# Altium PCB 1.4.0_Power_board_flight_computer.PcbDoc (continued)
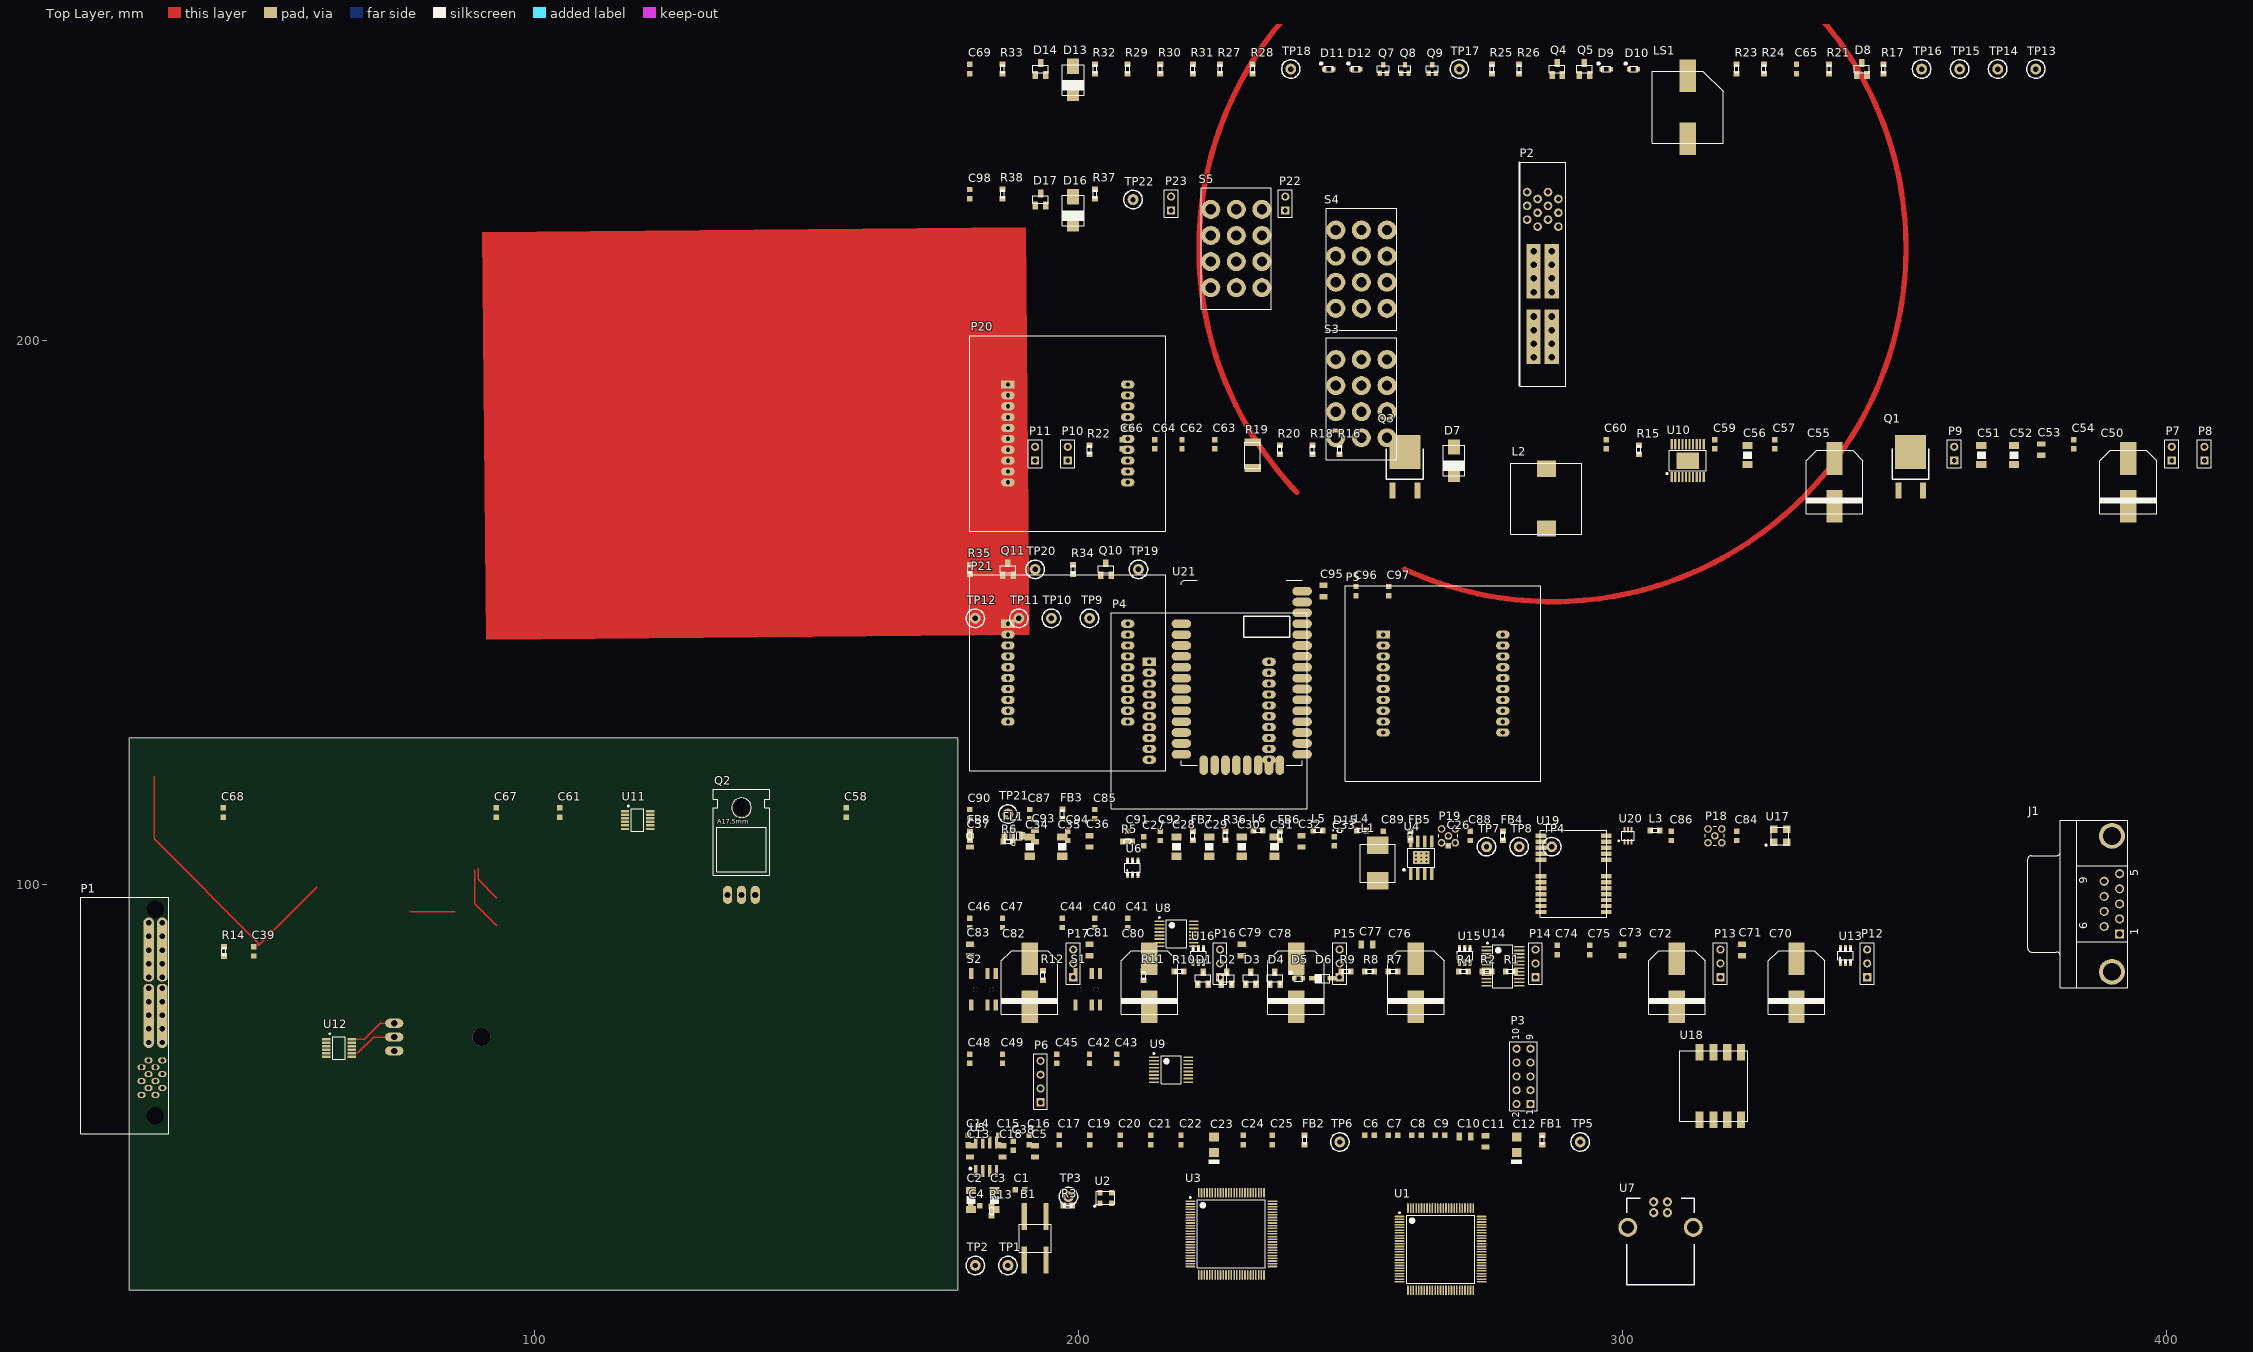
[diagram p0: Top Layer view]
## Components (designator, comment, footprint, x,y, rotation, side; value= is the part's Value field where it differs from the comment) (continued)
U17 "Abs. pres. sensor" SMD_3.0X3.0MM_4P 329,109 r0 top
U18 "Dif. pres. sensor" HSCMRRN060PDSA3 318,63 r0 top
U19 "NEO_M8" NEO-8 291,102 r0 top
U20 "PE4259" SC-70 301,109 r0 top
U21 "XBee 868LP RF Module" "XBEE 868LP RF MODULE" 230,139 r0 top

## Footprints (in the part's own frame and the unit in brackets; to place one, negate y for a bottom-side part, rotate by r counter-clockwise, add the part's x,y. Pads: shape width x height; smd on the part's side, far side on the other; paste and mask are expansions set on the pad)
0603 [mil]
  rect 40x44 smd: 1(-33.46,0) 2(34,0)
  silkscreen extent -33,-17 33,17, body extent -33,-16 33,16, height 22
2010 [mil]
  rect 56x121 smd: 1(-92.52,0) 2(93,0)
  silkscreen extent -94,-56 94,56, body extent -98,-49 98,49, height 24
"45985-4413 PCB Receptacles" [mm] "EXTreme LPH Power™ Header, Right Angle, 4 Power Contacts, 12 Signal Contacts, Select Gold (Au) Plating, for 1.57mm Thick PC Board, with Guide Pockets, with Press-fit Plastic Pegs"
  oval 1.1x1.5 hole 0.75: 1(31.63,-3.81) 2(30.36,-2.54) 3(29.09,-3.81) 4(27.82,-2.54) 5(26.55,-3.81) 6(25.28,-2.54) 7(31.63,-1.27) 8(30.36,0) 9(29.09,-1.27) 10(27.82,0) 11(26.55,-1.27) 12(25.28,0)
  round 2 hole 3.2 unplated: H(-2.5,-1.27) H(35.5,-1.27)
  oval 1.5x2 hole 1: P1A(12,-2.5) P2A(10,-2.5) P2A(10,-2.5) P2A(12,0) P2B(10,0) P2B(10,0)
  round 2 hole 1: P1A(14.5,-2.5) P1A(17,-2.5) P1A(19.5,-2.5) P1A(22,-2.5) P2A(0,-2.5) P2A(0,-2.5) P2A(2.5,-2.5) P2A(2.5,-2.5) P2A(5,-2.5) P2A(5,-2.5) P2A(7.5,-2.5) P2A(7.5,-2.5) P2A(14.5,0) P2A(17,0) P2A(19.5,0) P2A(22,0) P2B(0,0) P2B(0,0) P2B(2.5,0) P2B(2.5,0) P2B(5,0) P2B(5,0) P2B(7.5,0) P2B(7.5,0)
  rect 10x2 smd: P1A(17,-2.5) P2A(5,-2.5) P2A(5,-2.5) P2A(17,0) P2B(5,0) P2B(5,0)
  rect 10x2 smd far side: P1A(17,-2.5) P2A(5,-2.5) P2A(5,-2.5) P2A(17,0) P2B(5,0) P2B(5,0)
  silkscreen extent -4.7,-15 38.8,1.2, body extent -4.8,-15.21 38.86,1.07, height 9.19
"46114-4120 PCB Receptacles" [mm] "1.27mm, 12.00mm Pitch, EXTreme LPHPower™ Receptacle Header, Vertical, 4 Power Contacts, 12 Signal Contacts, Select Gold (Au) Plating, with BMI Guides"
  round 1.6 hole 0.9: 1(30.38,1.19) 2(29.11,-0.72) 3(27.84,1.19) 4(26.57,-0.72) 5(25.3,1.19) 6(24.03,-0.72) 7(30.38,-2.63) 8(29.11,-4.54) 9(27.84,-2.63) 10(26.57,-4.54) 11(25.3,-2.63) 12(24.03,-4.54)
  round 2.184 hole 1.2: P1A(12,0) P1A(14.5,0) P1A(17,0) P1A(19.5,0) P1B(12,-3.33) P1B(14.5,-3.33) P1B(17,-3.33) P1B(19.5,-3.33) P2A(0,0) P2A(2.5,0) P2A(5,0) P2A(7.5,0) P2B(0,-3.33) P2B(2.5,-3.33) P2B(5,-3.33) P2B(7.5,-3.33)
  rect 10x2.6 smd: P1A(15.8,0) P1B(15.8,-3.33) P2A(3.8,0) P2B(3.8,-3.33)
  rect 10x2.6 smd far side: P1A(15.8,0) P1B(15.8,-3.33) P2A(3.8,0) P2B(3.8,-3.33)
  silkscreen extent -5.3,-5.9 35.9,2.6, body extent -5.2,-5.8 35.8,2.53, height 18.02
CAP0603R [mm] "capacitor 0603 reflow soldering"
  rect 1x1 smd: 1(-0.85,0) 2(0.85,0)
  body extent -0.8,-0.4 0.8,0.4, height 0.3
CAP0805W [mm] "capacitor 0805 wave soldering"
  rect 1x1.5 smd: 1(-1.05,0) 2(1.05,0)
  body extent -1,-0.63 1,0.63, height 0.78
CAP1206-CASE_A [mil]
  rect 63x71 smd: 1(-55.98,0) 2(56,0)
  silkscreen extent -138,-39 -106,39, body extent -67,-33 67,33, height 67
CAP1206W [mm] "capacitor 1206 wave soldering"
  rect 1.3x1.9 smd: 1(-1.75,0) 2(1.75,0)
  silkscreen extent -0.7,-0.8 0.7,0.8, body extent -1.6,-0.8 1.6,0.8, height 1
CT-1205C-SMT [mm]
  rect 3x6 smd: 1(0,5.8) 2(0,-5.8)
  silkscreen extent -6.5,-6.6 6.5,6.6, body extent -6.4,-6.9 6.4,6.9, height 10.1
DO-214AA [mm]
  rect 2.8x2.2 smd: A(2.5,0) C(-2.5,0)
  silkscreen extent -2.8,-2 2.8,2, body extent -2.75,-1.95 2.75,1.95, height 2.45
DSUB1.385-2H9 [mm] "Connector; D Subminiature; 9 Position; Right Angle; Pitch 1.385 mm"
  rect 1.69x1.69 hole 1.09: 1(-5.54,-10.92)
  round 1.69 hole 1.09: 2(-2.77,-10.92) 3(0,-10.92) 4(2.77,-10.92) 5(5.54,-10.92) 6(-4.155,-8.08) 7(-1.385,-8.08) 8(1.385,-8.08) 9(4.155,-8.08)
  round 4.76 hole 3.26: 10(-12.495,-9.5) 11(12.495,-9.5)
  silkscreen extent -15.4,-12.4 15.4,6
HDR1X2 [mm] "Connector; Header; 2 Position"
  rect 1.5x1.5 hole 0.9: 1(0,0)
  round 1.5 hole 0.9: 2(2.54,0)
  silkscreen extent -1.27,-1.27 3.81,1.27
HDR1X3 [mm] "Connector; Header; 3 Position"
  rect 1.5x1.5 hole 0.9: 1(0,0)
  round 1.5 hole 0.9: 2(2.54,0) 3(5.08,0)
  silkscreen extent -1.27,-1.27 6.35,1.27
HDR1X4 [mm] "Connector; Header; 4 Position"
  rect 1.5x1.5 hole 0.9: 1(0,0)
  round 1.5 hole 0.9: 2(2.54,0) 3(5.08,0) 4(7.62,0)
  silkscreen extent -1.27,-1.27 8.89,1.27
HDR2X5 [mm] "Connector; Header; 5x2 Position"
  rect 1.5x1.5 hole 0.9: 1(0,0)
  round 1.5 hole 0.9: 2(0,2.54) 3(2.54,0) 4(2.54,2.54) 5(5.08,0) 6(5.08,2.54) 7(7.62,0) 8(7.62,2.54) 9(10.16,0) 10(10.16,2.54)
  silkscreen extent -1.27,-1.27 11.43,3.81
HSCMRRN060PDSA3 [mm] "Pressure sensor"
  rect 1.5x3 smd: 1(-3.81,-6.2) 2(-1.27,-6.2) 3(1.27,-6.2) 4(3.81,-6.2) 5(3.81,6.2) 6(1.27,6.2) 7(-1.27,6.2) 8(-3.81,6.2)
  silkscreen extent -7.5,-6.5 5,6.5, body extent -7.75,-6.68 5,6.67, height 6.77
HSOIC-8 [mm]
  rect 0.61x2.21 smd: 1(-1.905,-3) 2(-0.635,-3) 3(0.635,-3) 4(1.905,-3) 5(1.905,3) 6(0.635,3) 7(-0.635,3) 8(-1.905,3)
  round 0.5 hole 0.35: PD(-1,-0.75) PD(-1,0) PD(-1,0.75) PD(0,-0.75) PD(0,0) PD(0,0.75) PD(1,-0.75) PD(1,0) PD(1,0.75)
  rect 3.1x2.4 smd: PD(0,0)
  silkscreen extent -3.33,-2.42 2.5,1.75, body extent -2.5,-3.1 2.5,3.1, height 1.75
"HTSSOP 20" [mm]
  rect 0.42x1.9 smd: 1(-2.935,-3) 2(-2.275,-3) 3(-1.614,-3) 4(-0.979,-3) 5(-0.319,-3) 6(0.316,-3) 7(0.977,-3) 8(1.637,-3) 9(2.272,-3) 10(2.932,-3) 11(2.932,3) 12(2.272,3) 13(1.637,3) 14(0.977,3) 15(0.316,3) 16(-0.319,3) 17(-0.979,3) 18(-1.614,3) 19(-2.275,3) 20(-2.935,3)
  rect 4.2x3 smd: 21(0,0)
  silkscreen extent -3.97,-2.54 3.37,1.91, body extent -3.27,-3.2 3.23,3.22, height 0.95
IHLP-2525CZ-01_Inductor [mm]
  rect 4x3.2 smd: 1(0,3.25) 2(0,-3.25)
  silkscreen extent -3.25,-3.5 3.25,3.5, body extent -3.23,-3.43 3.24,3.43, height 3
IHLP_INDUCTOR [mm]
  rect 3.5x3 smd: 1(0,5.5) 2(0,-5.5)
  silkscreen extent -6.5,-6.5 6.5,6.5
LCL_NFE31P [mil]
  rrect15% 44x56 smd: 1(-62.99,0) 3(63,0)
  round 32.01 hole 16: 2(0,-59.06) 2(0,59.06)
  rect 25x103 smd: 2(0,0)
  silkscreen extent -62,-30 63,30, body extent -63,-31 63,31, height 63
M2042SS4W03 [mm]
  round 3.5 hole 1.85: 1(-7.2,-4.7)
  round 3.5 hole 1.9: 2(-7.2,0) 3(-7.2,4.7) 4(-2.4,-4.7) 5(-2.4,0) 6(-2.4,4.7) 7(2.4,-4.7) 8(2.4,0) 9(2.4,4.7) 10(7.2,-4.7) 11(7.2,0) 12(7.2,4.7)
  silkscreen extent -11.2,-6.45 11.17,6.5, body extent -11.15,-6.5 11.15,7.11, height 32.68
MMCX2.54-V5 [mm] "Connector; RF Coaxial, MMCX, Thru-Hole; 5 Position; Vertical"
  round 1.4 hole 0.85: 1(0,0) 2(-1.27,-1.27) 3(1.27,-1.27) 4(1.27,1.27) 5(-1.27,1.27)
  silkscreen extent -1.75,-1.75 1.75,1.75
NEO-8 [mm]
  rect 2x0.813 smd: 1(6.02,-7) 2(6.02,-5.9) 3(6.02,-4.8) 4(6.02,-3.7) 5(6.02,-2.6) 6(6.02,-1.5) 7(6.02,-0.4) 8(6.02,2.616) 9(6.02,3.708) 10(6.02,4.801) 11(6.02,5.918) 12(6.02,7.01) 13(-6,7.01) 14(-6,5.918) 15(-6,4.801) 16(-6,3.708) 17(-6,2.616) 18(-6,-0.4) 19(-6,-1.5) 20(-6,-2.6) 21(-6,-3.7) 22(-6,-4.8) 23(-6,-5.9) 24(-6,-7)
  silkscreen extent -6.1,-8 6.12,8, body extent -6.18,-8.3 6.18,8.3, height 2.04
PCV_10X10 [mm] "PCV_10x10"
  rect 3x6 smd: 1(0,4.4) 2(0,-4.4)
  silkscreen extent -5.3,-5.8 5.2,5.9, body extent -5.25,-5.9 5.25,5.9, height 10.3
SC-70 [mm]
  rect 0.4x1 smd: 1(-0.65,-1.1) 2(0,-1.1) 3(0.65,-1.1) 4(0.65,1.1) 5(0,1.1) 6(-0.65,1.1)
  silkscreen extent -1.78,-1.03 1.12,0.81, body extent -1,-1.05 1,1.05, height 0.93
"SMD SLIDE SWITCHES ON-ON" [mm]
  round 0.9 hole 0.9 unplated paste+0 mask+0.102: 0(-1.5,0) 0(1.5,0)
  rect 0.8x2 smd: 1(-2.25,2.9) 2(0.75,2.9) 3(2.25,2.9) 4(2.25,-2.9) 5(0.75,-2.9) 6(-2.25,-2.9)
  body extent -3.35,-2.95 3.35,2.95, height 2.9
SMD_3.0X3.0MM_4P [mm]
  rect 1.4x1.4 smd: 1(-1.2,-1.2) 2(1.2,-1.2) 3(1.2,1.2) 4(-1.2,1.2)
  silkscreen extent -2.75,-1.85 1.6,1.6, body extent -1.5,-1.51 1.5,1.5, height 0.9
SMD_3.2X2.5MM_4P [mil]
  rect 36x40 smd: 1(-41.34,-37.4) 2(42,-37.4) 3(42,38) 4(-41.34,38)
  silkscreen extent -85,-65 67,48
SOD123 [mil]
  rect 63x32 smd: 1(-66.93,0) 2(67,0)
  silkscreen extent -52,-31 53,31, body extent -73,-32 73,31, height 50
SOD-923 [mm]
  rect 0.4x0.406 smd: 1(-0.5,0) 2(0.5,0)
  silkscreen extent -1.3,-0.3 0.41,0.3, body extent -0.52,-0.32 0.53,0.32, height 0.43
SOIC-8 [mil]
  rect 24x87 smd: 1(-75,-102.36) 2(-25,-102.36) 3(25,-102.36) 4(75,-102.36) 5(75,103) 6(25,103) 7(-25,103) 8(-75,103)
  silkscreen extent -121,-92 -108,-79, body extent -97,-122 99,122, height 69
SOT23 [mil]
  rect 40x56 smd: 1(-37.4,-43.31) 2(38,-43.31) 3(0,44)
  silkscreen extent -56,-51 56,51, body extent -59,-59 59,59, height 51
SOT23-6L [mil]
  rect 22x48 smd: 1(-37.4,-51.18) 2(0,-51.18) 3(38,-51.18) 4(38,52) 5(0,52) 6(-37.4,52)
  silkscreen extent -56,-59 56,60, body extent -59,-59 59,59, height 51
SOT-323-3 [mm]
  rect 0.8x1 smd: 1(-0.65,-0.8) 2(0.65,-0.8) 3(0,0.8)
  silkscreen extent -1.1,-0.6 1.1,0.6, body extent -1.1,-1.12 1.1,1.12, height 1.1
STM-LQFP100_N [mm] "Thin QFP, 100-Leads, Body 14x14mm, Pitch 0.5mm, IPC Medium Density"
  oval 1.8x0.3 smd: 1(-7.55,6) 2(-7.55,5.5) 3(-7.55,5) 4(-7.55,4.5) 5(-7.55,4) 6(-7.55,3.5) 7(-7.55,3) 8(-7.55,2.5) 9(-7.55,2) 10(-7.55,1.5) 11(-7.55,1) 12(-7.55,0.5) 13(-7.55,0) 14(-7.55,-0.5) 15(-7.55,-1) 16(-7.55,-1.5) 17(-7.55,-2) 18(-7.55,-2.5) 19(-7.55,-3) 20(-7.55,-3.5) 21(-7.55,-4) 22(-7.55,-4.5) 23(-7.55,-5) 24(-7.55,-5.5) 25(-7.55,-6) 51(7.55,-6) 52(7.55,-5.5) 53(7.55,-5) 54(7.55,-4.5) 55(7.55,-4) 56(7.55,-3.5) 57(7.55,-3) 58(7.55,-2.5) 59(7.55,-2) 60(7.55,-1.5) 61(7.55,-1) 62(7.55,-0.5) 63(7.55,0) 64(7.55,0.5) 65(7.55,1) 66(7.55,1.5) 67(7.55,2) 68(7.55,2.5) 69(7.55,3) 70(7.55,3.5) 71(7.55,4) 72(7.55,4.5) 73(7.55,5) 74(7.55,5.5) 75(7.55,6)
  oval 0.3x1.8 smd: 26(-6,-7.55) 27(-5.5,-7.55) 28(-5,-7.55) 29(-4.5,-7.55) 30(-4,-7.55) 31(-3.5,-7.55) 32(-3,-7.55) 33(-2.5,-7.55) 34(-2,-7.55) 35(-1.5,-7.55) 36(-1,-7.55) 37(-0.5,-7.55) 38(0,-7.55) 39(0.5,-7.55) 40(1,-7.55) 41(1.5,-7.55) 42(2,-7.55) 43(2.5,-7.55) 44(3,-7.55) 45(3.5,-7.55) 46(4,-7.55) 47(4.5,-7.55) 48(5,-7.55) 49(5.5,-7.55) 50(6,-7.55) 76(6,7.55) 77(5.5,7.55) 78(5,7.55) 79(4.5,7.55) 80(4,7.55) 81(3.5,7.55) 82(3,7.55) 83(2.5,7.55) 84(2,7.55) 85(1.5,7.55) 86(1,7.55) 87(0.5,7.55) 88(0,7.55) 89(-0.5,7.55) 90(-1,7.55) 91(-1.5,7.55) 92(-2,7.55) 93(-2.5,7.55) 94(-3,7.55) 95(-3.5,7.55) 96(-4,7.55) 97(-4.5,7.55) 98(-5,7.55) 99(-5.5,7.55) 100(-6,7.55)
  silkscreen extent -7.67,-6.25 6.25,6.82, body extent -7,-7 7,7, height 1.6
"SWITCH CK" [mm]
  rect 1x5 smd: 1(-2,-4) 2(2,-4) 3(2,4) 4(-2,4)
  silkscreen extent -2.95,-2.58 2.98,2.6, body extent -3,-4.5 3,4.5, height 5
TO220 [mil]
  oval 66x132 hole 44: 1(-100,-190.94) 2(0,-190.94) 3(100,-190.94)
  round 130 hole 130: 2(0,440)
  silkscreen extent -205,-50 205,575, body extent -200,-201 200,567, height 165
TO252 [mm]
  rect 5.7x6.2 smd: D(0,2.6)
  rect 1.1x2.9 smd: G(-2.286,-4.5) S(2.286,-4.5)
  silkscreen extent -3.42,-2.4 3.32,3.22, body extent -3.31,-5.15 3.26,4.55, height 2.3
TP [mm]
  round 2 hole 1: 1(0,0)
  silkscreen extent -1.7,-1.7 1.7,1.7
TSOP612 [mm] "TSOP, 12-Leads, Body 4.00x3.00mm, Pitch 0.65mm, IPC Low Density"
  rect 1.55x0.44 smd: 1(-2.325,1.625) 2(-2.325,0.975) 3(-2.325,0.325) 4(-2.325,-0.325) 5(-2.325,-0.975) 6(-2.325,-1.625) 7(2.325,-1.625) 8(2.325,-0.975) 9(2.325,-0.325) 10(2.325,0.325) 11(2.325,0.975) 12(2.325,1.625)
  silkscreen extent -1.82,-2.05 1.15,2.72, body extent -2.45,-2.02 2.45,2.02, height 1.1
"TSSOP 16" [mm]
  rect 1.8x0.3 smd: 1(-3.15,2.275) 2(-3.15,1.625) 3(-3.15,0.975) 4(-3.15,0.325) 5(-3.15,-0.325) 6(-3.15,-0.975) 7(-3.15,-1.625) 8(-3.15,-2.275) 9(3.15,-2.275) 10(3.15,-1.625) 11(3.15,-0.975) 12(3.15,-0.325) 13(3.15,0.325) 14(3.15,0.975) 15(3.15,1.625) 16(3.15,2.275)
  silkscreen extent -3.27,-2.55 1.85,3.1, body extent -3.2,-2.55 3.2,2.55, height 1.05
"TSSOP 24" [mm]
  rect 1.9x0.3 smd: 1(-3,3.575) 2(-3,2.925) 3(-3,2.275) 4(-3,1.625) 5(-3,0.975) 6(-3,0.325) 7(-3,-0.325) 8(-3,-0.975) 9(-3,-1.625) 10(-3,-2.275) 11(-3,-2.925) 12(-3,-3.575) 13(3,-3.575) 14(3,-2.925) 15(3,-2.275) 16(3,-1.625) 17(3,-0.975) 18(3,-0.325) 19(3,0.325) 20(3,0.975) 21(3,1.625) 22(3,2.275) 23(3,2.925) 24(3,3.575)
  silkscreen extent -2.92,-3.95 1.85,4.4, body extent -3.28,-3.95 3.28,3.95, height 1.2
"USB TYPE B RIGHT ANGLE" [mm]
  round 3.5 hole 2.3: 0(-6.02,0) 0(6.02,0)
  round 1.7 hole 0.92: 1(1.25,4.71) 2(-1.25,4.71) 3(-1.25,2.71) 4(1.25,2.71)
  silkscreen extent -6.2,-10.5 6.2,5.4, body extent -7.35,-10.3 7.3,5.3, height 11.05
WL-SMCW [mil]
  rect 32x32 smd: A(32,0) C(-31.5,0)
  silkscreen extent -63,-20 32,48, body extent -31,-16 31,16, height 28
"XBEE 868LP RF MODULE" [mm]
  oval 3.6x1.6 smd: 1(-11.1,9) 2(-11.1,7) 3(-11.1,5) 4(-11.1,3) 5(-11.1,1) 6(-11.1,-1) 7(-11.1,-3) 8(-11.1,-5) 9(-11.1,-7) 10(-11.1,-9) 11(-11.1,-11) 12(-11.1,-13) 13(-11.1,-15) 22(11.1,-15) 23(11.1,-13) 24(11.1,-11) 25(11.1,-9) 26(11.1,-7) 27(11.1,-5) 28(11.1,-3) 29(11.1,-1) 30(11.1,1) 31(11.1,3) 32(11.1,5) 33(11.1,7) 34(11.1,9) 35(11.1,11) 36(11.1,13) 37(11.1,15)
  oval 1.6x3.6 smd: 14(-7,-17) 15(-5,-17) 16(-3,-17) 17(-1,-17) 18(1,-17) 19(3,-17) 20(5,-17) 21(7,-17)
  silkscreen extent -11.1,-17 11.1,17, body extent -11,-17 11,16.78, height 3.06
"XBee receptacle" [mm]
  rect 2.5x1.5 hole 0.8: 1(-11,9)
  oval 2.5x1.5 hole 0.8: 2(-11,7) 3(-11,5) 4(-11,3) 5(-11,1) 6(-11,-1) 7(-11,-3) 8(-11,-5) 9(-11,-7) 10(-11,-9) 11(11,-9) 12(11,-7) 13(11,-5) 14(11,-3) 15(11,-1) 16(11,1) 17(11,3) 18(11,5) 19(11,7) 20(11,9)
  silkscreen extent -18,-18 18,18, body extent -12.2,-10.25 12.2,10.25, height 4.4
"XBEE RECEPTACLE" [mm]
  rect 2.5x1.5 hole 0.8: 1(-11,9)
  oval 2.5x1.5 hole 0.8: 2(-11,7) 3(-11,5) 4(-11,3) 5(-11,1) 6(-11,-1) 7(-11,-3) 8(-11,-5) 9(-11,-7) 10(-11,-9) 11(11,-9) 12(11,-7) 13(11,-5) 14(11,-3) 15(11,-1) 16(11,1) 17(11,3) 18(11,5) 19(11,7) 20(11,9)
  silkscreen extent -18,-18 18,18, body extent -12.2,-10.25 12.2,10.25, height 4.4

## Part data
B1: "OFF-(ON)"
C1 C4 C6 C7 C8 C9 C14 C15 C16 C17 C19 C20 C21 C22 C24 C25 C33 C54 C57 C58 C61 C65 C67 C68 C69 C74 C75 C84 C85 C87 C90 C91 C92 C94 C98: library part C_100nF, "Capacitor"
C2 C3: library part C_2.2uF_1206, "Capacitor"
C5 C13 C18 C32 C36 C53 C71 C73 C77 C79 C81 C83 C93 C95: library part C_10uF_16v, "Capacitor"
C10 C11: library part C_4.7uF, "Capacitor"
C12 C23: library part C_pol_1uF_tental, "Polarized Capacitor"
C26: library part C_470nF_25v, "Capacitor"
C27 C64: library part C_82pF_50V, "Capacitor"
C28 C29 C30 C31 C34 C35 C51 C52 C56: library part C_47uF_25v_1206, "Capacitor"
C37: library part C_4.7uF_16v, "Capacitor"
C38 C40 C41 C42 C43 C44 C45 C46 C47 C48 C49 C96: library part C_220nF, "Capacitor"
C39: library part C_4.7nF, "Capacitor"
C50 C55 C70 C72 C76 C78 C80 C82: library part C_pol_470uF_elec, "Polarized Capacitor"
C59 C60: library part C_1uF_50v, "Capacitor"
C62: library part C_560pF_50V, "Capacitor"
C63 C66: library part C_10nF, "Capacitor"
C86 C88 C89 C97: library part C_47pF_25V, "Capacitor"
D1 D2 D3 D4 D8 D14 D17: library part DZ_3V6_MMBZ522, "Zener Diodes 3.6V 225mW"
D5 D9 D10 D11 D12: library part LED_SMD_GREEN_0603, "Standard LEDs - SMD WL-SMCW Waterclr 0603 Green"
D7 D13 D16: library part DZ_20V, "Zener Diodes 5W 20V"
D15: library part ESD9L5.0ST5G, "Diodes TVS - Parasurtenseurs ESD"
FB1 FB2 FB3 FB4 FB5 FB6 FB7 FB8: library part Ferrite_bead
FL1: library part NFE31P
J1: "Receptacle Assembly, 9 Position, Right Angle"
L1: library part L_3.3uH_6A, "Inductors 3.3uH 20%"
L2: library part L_3.3uH, "Inductor"
L3 L4 L5 L6: library part L_27nH, "Inductor"
LS1: library part Buzzer_CT-1205C-SMT-TR, "Magnetic Transducer Buzzer 5VDC"
P1: "Heavy Duty Power Connectors LPH Plug Assy RtAn 0 4 Pwr 12 Sig P and G"
P2: "Heavy Duty Power Connectors LPH VERT. ASSY W GUI W GUIDES 4PX12S CKT"
P3: "Header, 5-Pin, Dual row"
P6: "Header, 4-Pin"
P7 P8 P9 P10 P11 P22 P23: "Header, 2-Pin"
P12 P13 P14 P15 P16 P17: "Header, 3-Pin"
P18 P19: "RF Coaxial PCB Connector, MMCX; Thru-Hole, Vertical Mount Plug,  50 Ohm Impedance"
Q1 Q3: library part MOSFET_DMTH4007LK3-13
Q2 Q6: library part MOSFET_IPP029N06NAKSA1
Q4 Q5 Q10 Q11: library part "MOSFET_P_ 20V_1.5A", "MOSFET 40V P-channel Trench MOSFET SOT-23-3"
Q7 Q8 Q9: library part "MOSFET_N_ 20V_1.4A", "MOSFET N-Ch 20V 1.4A SOT-323-3"
R1 R2: library part R_0603_01W_1K, "0.1W 1K"
R3 R11 R12 R15 R17 R32 R37: library part R_0603_01W_10K, "0.1W 10K"
R4 R13 R36: library part R_0603_025W_10Ohm, "0.25W 10Ohm"
R5 R16 R22: library part R_0603_01W_6K2, "0.1W 6K19"
R6: library part R_0603_01W_2K7, "0.1W 2K7"
R7 R8 R9 R10 R25 R26 R27 R28: library part R_0603_025W_22Ohm, "0.25W 22Ohm"
R14: library part R_0603_01W_1M, "0.1W 1M"
R18 R23 R24 R29 R30 R31 R34 R35: library part R_0603_01W_18K7, "0.1W 18K7"
R19: library part R_2010_2W_3mOhm, "2W 3mOhm"
R20 R21 R33 R38: library part R_0603_01W_2K, "0.1W 2K"
S1 S2 S3 S4 S5: "Switch"
U1 U3: "ARM Cortex-M4 32-bit MCU+FPU, 210 DMIPS, 1024 kB Flash, 192 kB Internal RAM, 82 I/Os, 100-pin LQFP, -40 to 85 degC, Tray"
U2: library part DSC1001CI2-025.0000, "Osc"
U4: "Voltage regulator 3A"
U5: library part "Flash 8MB SPI"
U6 U13 U15 U16: "ESD Suppressors"
U7: "USB type B"
U8 U9: "RS-232 Interface IC 3-5.5V 235kbps Transceiver"
U10: "WIDE RANGE SYNC BUCK"
U14: "Level shifter 8"
U17: library part MS563702BA03-50, "Pressure sensor"
U18: library part HSCMRRN060PDSA3, "Pressure sensor"
U19: library part "uBlox_Neo M8", "GNSS"
U20: "RF SWITCH"

## Nets (pads, with @x,y where several pads share a name; then routed paths per layer and width w, separated by ;. In a path a pad name is that pad's centre, name@x,y a point inside that pad or via, vN(x,y) a via of type N, cw(c..) or ccw(c..) an arc to the next point about the centre after c; other vN are vias at no path point)
+5V: C34.2 C35.2 C36.2 C50.1 C51.2 C52.2 C53.2 C54.2 C70.1 C71.2 C72.1 C73.2 C75.2 C76.1 C77.2 C78.1 C79.2 C80.1 C81.2 C82.1 C83.2 D9.A D10.A L2.2 LS1.1 P12.1 P13.1 P14.1 P15.1 P16.1 P17.1 Q4.2 Q5.2 R16.2 R23.2 R24.2 TP7.1 TP15.1 U4.5 U4.7 U6.5 U7.1 U10.10 U13.5 U14.1 U15.5 U16.5
AGND: C23.2 C24.1 C25.1 FB1.1 TP4.1 U3.20
BOOT0: R11.1 U1.94
BOOT1: R12.1 U1.37
FLASH_HOLD: U5.7
FLASH_WP: U5.3
GND: B1.2 B1.3 C1.1 C2.1 C3.1 C4.2 C5.1 C6.1 C7.1 C8.1 C9.1 C10.1 C11.1 C12.2 C13.1 C14.1 C15.1 C16.1 C17.1 C18.1 C19.1 C20.1 C21.1 C22.1 C28.1 C29.1 C30.1 C31.1 C32.1 C33.1 C34.1 C35.1 C36.1 C37.1 C38.1 C39.1 C44.1 C45.1 C46.1 C47.1 C48.1 C49.1 C50.2 C51.1 C52.1 C53.1 C54.1 C55.2 C56.1 C57.1 C59.1 C61.1 C62.1 C63.1 C65.1 C68.1 C69.1 C70.2 C71.1 C72.2 C73.1 C74.1 C75.1 C76.2 C77.1 C78.2 C79.1 C80.2 C81.1 C82.2 C83.1 C84.1 C85.1 C87.1 C90.1 C91.1 C92.1 C93.1 C94.1 C95.1 C96.1 C97.1 D1.1 D2.1 D3.1 D4.1 D5.C D7.A D8.1 D13.A D14.1 D15.2 FB1.2 FL1.2 P3.3 P3.5 P4.10 P6.3 P6.4 P7.2 P8.2 P9.2 P10.2 P11.2 P12.3 P13.3 P14.3 P15.3 P16.3 P17.3 P18.2 P18.3 P18.4 P18.5 P19.2 P19.3 P19.4 P19.5 P20.10 Q7.2 Q8.2 Q9.2 R6.1 R14.1 R18.1 R19.1 R20.1 R21.1 R27.1 R28.1 R29.1 R30.1 R31.1 R33.1 S1.1 S1.4 S2.1 S2.4 TP5.1 U2.2 U3.10 U3.27 U3.74 U3.99 U4.6 U4.8 U5.4 U6.2 U7.4 U8.15 U9.15 U10.6 U10.11 U10.13 U10.14 U10.17 U10.21 U11.4 U11.7 U11.9 U12.4 U12.7 U12.9 U13.2 U14.2 U14.11 U14.12 U14.13 U14.14 U14.15 U14.22 U15.2 U16.2 U17.4 U18.1 U19.10 U19.12 U19.13 U19.24 U20.2 U21.1 U21.11 U21.13 U21.22 U21.24 U21.35
GND_PL: C98.1 D16.A D17.1 P22.2 P23.2 R38.1
NetB1_1: B1.1 B1.4 C4.1 R3.1 R4.2
NetC2_2: C2.2 U1.73
NetC3_2: C3.2 U1.49
NetC26_1: C26.1 L1.1 U4.1
NetC26_2: C26.2 U4.2
NetC27_1: C27.1 R5.1 R6.2 U4.4
NetC37_2: C37.2 U4.3
NetC39_2: C39.2 R14.2 U7.0
NetC40_1: C40.1 U8.5
NetC40_2: C40.2 U8.4
NetC41_1: C41.1 U8.3
NetC41_2: C41.2 U8.1
NetC42_1: C42.1 U9.5
NetC42_2: C42.2 U9.4
NetC43_1: C43.1 U9.3
NetC43_2: C43.2 U9.1
NetC46_2: C46.2 U8.2
NetC47_2: C47.2 U8.6
NetC48_2: C48.2 U9.2
NetC49_2: C49.2 U9.6
NetC55_1: C55.1 C56.2 C57.2 P8.1 Q1.D Q2.2 Q6.2 R15.2 TP13.1 U10.1 U11.8 U12.8 | length 392.9
  Top Layer w0.254: U12.8 66.374,69.074 67.481,69.074 70.407,72 Q6.2@74.15,72
  Top Layer w1: 240.155,172.146 cw(c287.138,217.064) 260,158
NetC58_1: C58.1 D7.C Q2.3 R17.2 S3.1 S3.4 S3.7 S3.10 TP14.1 U11.1 U11.12
NetC58_2: C58.2 U11.10
NetC59_2: C59.2 D6.2 U10.16
NetC60_1: C60.1 L2.1 Q1.S Q3.D U10.20
NetC60_2: C60.2 D6.1 U10.18
NetC61_2: C61.2 U11.2 U11.3
NetC62_2: C62.2 U10.5
NetC63_2: C63.2 U10.7
NetC64_1: C64.1 R16.1 R20.2 R22.2 U10.8
NetC64_2: C64.2 C66.2 U10.9
NetC65_2: C65.2 D8.3 R17.1 R21.2
NetC66_1: C66.1 R22.1
NetC67_1: C67.1 D13.C Q6.3 R32.2 S4.1 S4.4 S4.7 S4.10 TP17.1 U12.1 U12.12 | length 9
  Top Layer w0.254: U12.12 68.625,71.625 71.54,74.54 Q6.3
NetC67_2: C67.2 U12.10
NetC68_2: C68.2 U12.2 U12.3
NetC69_2: C69.2 D14.3 R32.1 R33.2
NetC84_2: C84.2 Q10.3 TP19.1 U17.1
NetC85_2: C85.2 Q11.3 TP20.1 U18.2
NetC86_1: C86.1 L3.2 P18.1
NetC86_2: C86.2 U20.1
NetC87_2: C87.2 FB3.1 U20.6
NetC88_1: C88.1 U20.5
NetC88_2: C88.2 D15.1 L4.2 U19.11
NetC89_1: C89.1 L5.2 P19.1
NetC89_2: C89.2 U20.3
NetC90_2: C90.2 L4.1 L6.2 R36.2
NetC91_2: C91.2 C92.2 L3.1 L5.1 L6.1
NetC93_2: C93.2 C94.2 FL1.3 TP21.1 U19.22 U19.23
NetC95_2: C95.2 C96.2 C97.2 P20.1 U21.2
NetD5_A: D5.A R13.1
NetD9_C: D9.C R25.2
NetD10_C: D10.C R26.2
NetD11_A: D11.A Q4.3
NetD11_C: D11.C R27.2
NetD12_A: D12.A Q5.3
NetD12_C: D12.C R28.2
NetD16_C: D16.C R37.2 S5.1 S5.4 S5.7 S5.10 TP22.1
NetFB4_1: FB4.1 R2.1 TP2.1 U1.96 U17.2
NetFB4_2: FB4.2 U19.18
NetFB5_1: FB5.1 R1.1 TP1.1 U1.95 U17.3
NetFB5_2: FB5.2 U19.19
NetFB6_1: FB6.1
NetFB6_2: FB6.2 U19.20
NetFB7_1: FB7.1
NetFB7_2: FB7.2 U19.21
NetFB8_1: FB8.1
NetFB8_2: FB8.2 U20.4
NetLS1_2: LS1.2 Q9.3
NetP3_2: P3.2 R7.1
NetP3_4: P3.4 R8.1
NetP3_6: P3.6 R9.1
NetP3_10: P3.10 R10.1
NetP4_2: P4.2
NetP4_3: P4.3
NetP4_5: P4.5
NetP4_6: P4.6
NetP6_1: P6.1 TP9.1 U9.14
NetP6_2: P6.2 TP10.1 U9.13
NetP7_1: P7.1 S3.3 S3.6 S3.9 S3.12
NetP10_1: P10.1 S4.3 S4.6 S4.9 S4.12
NetP12_2: P12.2 U13.1
NetP13_2: P13.2 U13.3
NetP14_2: P14.2 U15.1
NetP15_2: P15.2 U15.3
NetP16_2: P16.2 U16.1
NetP17_2: P17.2 U16.3
NetP20_2: P20.2 U21.3
NetP20_3: P20.3 U21.4
NetP20_4: P20.4 U21.5
NetP20_5: P20.5 U21.6
NetP20_6: P20.6 U21.7
NetP20_7: P20.7 U21.8
NetP20_9: P20.9 U21.10
NetP22_1: P22.1 S5.3 S5.6 S5.9 S5.12
NetQ1_G: Q1.G U10.19
NetQ2_1: Q2.1 U11.11
NetQ3_G: Q3.G U10.15
NetQ3_S: Q3.S R19.2 U10.12
NetQ4_1: Q4.1 R23.1 TP16.1 U11.5
NetQ5_1: Q5.1 R24.1 TP18.1 U12.5
NetQ6_1: Q6.1 U12.11
NetQ7_1: Q7.1 R29.2
NetQ7_3: Q7.3 R25.1
NetQ8_1: Q8.1 R30.2
NetQ8_3: Q8.3 R26.1
NetQ9_1: Q9.1 R31.2
NetQ10_1: Q10.1 R34.1
NetQ11_1: Q11.1 R35.1
NetR11_2: R11.2 S1.2
NetR12_2: R12.2 S2.2
NetR15_1: R15.1 U10.4
NetR18_2: R18.2 U10.3
NetR36_1: R36.1 U19.9
NetTP3_1: TP3.1 U1.12 U2.3
NetU1_67: U1.67
NetU1_92: U1.92
NetU1_93: U1.93
NetU13_4: U13.4 U14.4
NetU13_6: U13.6 U14.3
NetU14_5: U14.5 U15.6
NetU14_6: U14.6 U15.4
NetU14_7: U14.7 U16.6
NetU14_8: U14.8 U16.4
NetU19_8: U19.8
NRST: D4.3 R4.1 R10.2 U1.14
RS232_1_RX: TP11.1 U1.79 U9.12
RS232_1_TX: TP12.1 U1.78 U9.11
SPI2_MISO: U1.53 U5.2 U18.3
SPI2_MOSI: U1.54 U5.5
SPI2_NSS: U1.51 U5.1
SPI2_NSS_2: U18.5
SPI2_SCK: U1.52 U5.6 U18.4
SWCLK: D2.3 R8.2 U1.76
SWDIO: D1.3 R7.2 U1.72
SWO: D3.3 R9.2 U1.89
USB_DM: U1.70 U6.1 U6.6 U7.2
USB_DP: U1.71 U6.3 U6.4 U7.3
VBAT1: P9.1 S3.2 S3.5 S3.8 S3.11
VBAT2: P11.1 S4.2 S4.5 S4.8 S4.11
VBAT3: P23.1 S5.2 S5.5 S5.8 S5.11
VCC: C38.2 P3.1 U5.8
VDD: C1.2 C5.2 C6.2 C7.2 C8.2 C9.2 C10.2 C11.2 C12.1 C13.2 C14.2 C15.2 C16.2 C17.2 C18.2 C19.2 C20.2 C21.2 C22.2 C27.2 C28.2 C29.2 C30.2 C31.2 C32.2 C33.2 C44.2 C45.2 C74.2 FB2.1 FB3.2 FL1.1 L1.2 P4.1 Q10.2 Q11.2 R1.2 R2.2 R3.2 R5.2 R34.2 R35.2 S1.3 S1.6 S2.3 S2.6 TP8.1 U2.1 U2.4 U3.6 U3.11 U3.19 U3.28 U3.50 U3.75 U3.100 U8.16 U9.16 U14.23 U14.24
VDDA: C23.1 C24.2 C25.2 FB2.2 TP6.1 U3.21 U3.22
pads on no net: C98.2 D1.2 D2.2 D3.2 D4.2 D8.2 D14.2 D17.2 D17.3 J1.1 J1.2 J1.3 J1.4 J1.5 J1.6 J1.7 J1.8 J1.9 J1.10 J1.11 P1.1 P1.2 P1.3 P1.4 P1.5 P1.6 P1.7 P1.8 P1.9 P1.10 P1.11 P1.12 P1.H P1.P1A P1.P2A P1.P2B P2.1 P2.2 P2.3 P2.4 P2.5 P2.6 P2.7 P2.8 P2.9 P2.10 P2.11 P2.12 P2.P1A P2.P1B P2.P2A P2.P2B P3.7 P3.8 P3.9 P4.4 P4.7 P4.8 P4.9 P4.11 P4.12 P4.13 P4.14 P4.15 P4.16 P4.17 P4.18 P4.19 P4.20 P5.1 P5.2 P5.3 P5.4 P5.5 P5.6 P5.7 P5.8 P5.9 P5.10 P5.11 P5.12 P5.13 P5.14 P5.15 P5.16 P5.17 P5.18 P5.19 P5.20 P20.8 P20.11 P20.12 P20.13 P20.14 P20.15 P20.16 P20.17 P20.18 P20.19 P20.20 P21.1 P21.2 P21.3 P21.4 P21.5 P21.6 P21.7 P21.8 P21.9 P21.10 P21.11 P21.12 P21.13 P21.14 P21.15 P21.16 P21.17 P21.18 P21.19 P21.20 R13.2 R37.1 R38.2 S1.0 S1.5 S2.0 S2.5 U1.1 U1.2 U1.3 U1.4 U1.5 U1.6 U1.7 U1.8 U1.9 U1.10 U1.11 U1.13 U1.15 U1.16 U1.17 U1.18 U1.19 U1.20 U1.21 U1.22 U1.23 U1.24 U1.25 U1.26 U1.27 U1.28 U1.29 U1.30 U1.31 U1.32 U1.33 U1.34 U1.35 U1.36 U1.38 U1.39 U1.40 U1.41 U1.42 U1.43 U1.44 U1.45 U1.46 U1.47 U1.48 U1.50 U1.55 U1.56 U1.57 U1.58 U1.59 U1.60 U1.61 U1.62 U1.63 U1.64 U1.65 U1.66 U1.68 U1.69 U1.74 U1.75 U1.77 U1.80 U1.81 U1.82 U1.83 U1.84 U1.85 U1.86 U1.87 U1.88 U1.90 U1.91 U1.97 U1.98 U1.99 U1.100 U3.1 U3.2 U3.3 U3.4 U3.5 U3.7 U3.8 U3.9 U3.12 U3.13 U3.14 U3.15 U3.16 U3.17 U3.18 U3.23 U3.24 U3.25 U3.26 U3.29 U3.30 U3.31 U3.32 U3.33 U3.34 U3.35 U3.36 U3.37 U3.38 U3.39 U3.40 U3.41 U3.42 U3.43 U3.44 U3.45 U3.46 U3.47 U3.48 U3.49 U3.51 U3.52 U3.53 U3.54 U3.55 U3.56 U3.57 U3.58 U3.59 U3.60 U3.61 U3.62 U3.63 U3.64 U3.65 U3.66 U3.67 U3.68 U3.69 U3.70 U3.71 U3.72 U3.73 U3.76 U3.77 U3.78 U3.79 U3.80 U3.81 U3.82 U3.83 U3.84 U3.85 U3.86 U3.87 U3.88 U3.89 U3.90 U3.91 U3.92 U3.93 U3.94 U3.95 U3.96 U3.97 U3.98 U4.PD U8.7 U8.8 U8.9 U8.10 U8.11 U8.12 U8.13 U8.14 U9.7 U9.8 U9.9 U9.10 U10.2 U11.6 U12.6 U14.9 U14.10 U14.16 U14.17 U14.18 U14.19 U14.20 U14.21 U18.6 U18.7 U18.8 U19.1 U19.2 U19.3 U19.4 U19.5 U19.6 U19.7 U19.14 U19.15 U19.16 U19.17 U21.9 U21.12 U21.14 U21.15 U21.16 U21.17 U21.18 U21.19 U21.20 U21.21 U21.23 U21.25 U21.26 U21.27 U21.28 U21.29 U21.30 U21.31 U21.32 U21.33 U21.34 U21.36 U21.37
copper on no net: | length 81.6
  Top Layer w0.254: 30,120 30,108.441 49.174,89.267 49.174,88.826 60,99.652 ; 77,95 85.35,95 ; 88.975,102.675 88.975,96.489 93.004,92.46 93.026,92.46 ; 89.576,103 89.576,100.99 93.026,97.54

## Other copper
Top Layer:
  region net NetC55_1: 90.292,219.997 91,145 190.996,145.943 190.288,220.94

## Text inside footprints (layer, text, board x,y; h text height)
J1: Top Overlay "1" at 394.875,90.705 h1.5 r90; Top Overlay "5" at 394.875,101.535 h1.5 r90; Top Overlay "9" at 385.475,100.15 h1.5 r90; Top Overlay "6" at 385.475,91.84 h1.5 r90
P3: Top Overlay "2" at 281.051,57.15 h1.27 r90; Top Overlay "1" at 283.591,57.658 h1.27 r90; Top Overlay "9" at 283.591,71.374 h1.27 r90; Top Overlay "10" at 281.051,71.374 h1.27 r90
Q2: Top Overlay "A17,5mm" at 133.555,110.874 h1.54
Q6: Bottom Overlay "A17,5mm" at 86.874,67.555 h1.54 r270